# KiCad board rp2040.kicad_pcb
title: Stucco[10]; rev: Rev1.0; company: Scattered-lenity; note: Made by ScatteredDrifter; note: built upon Rp2040 schematic guide
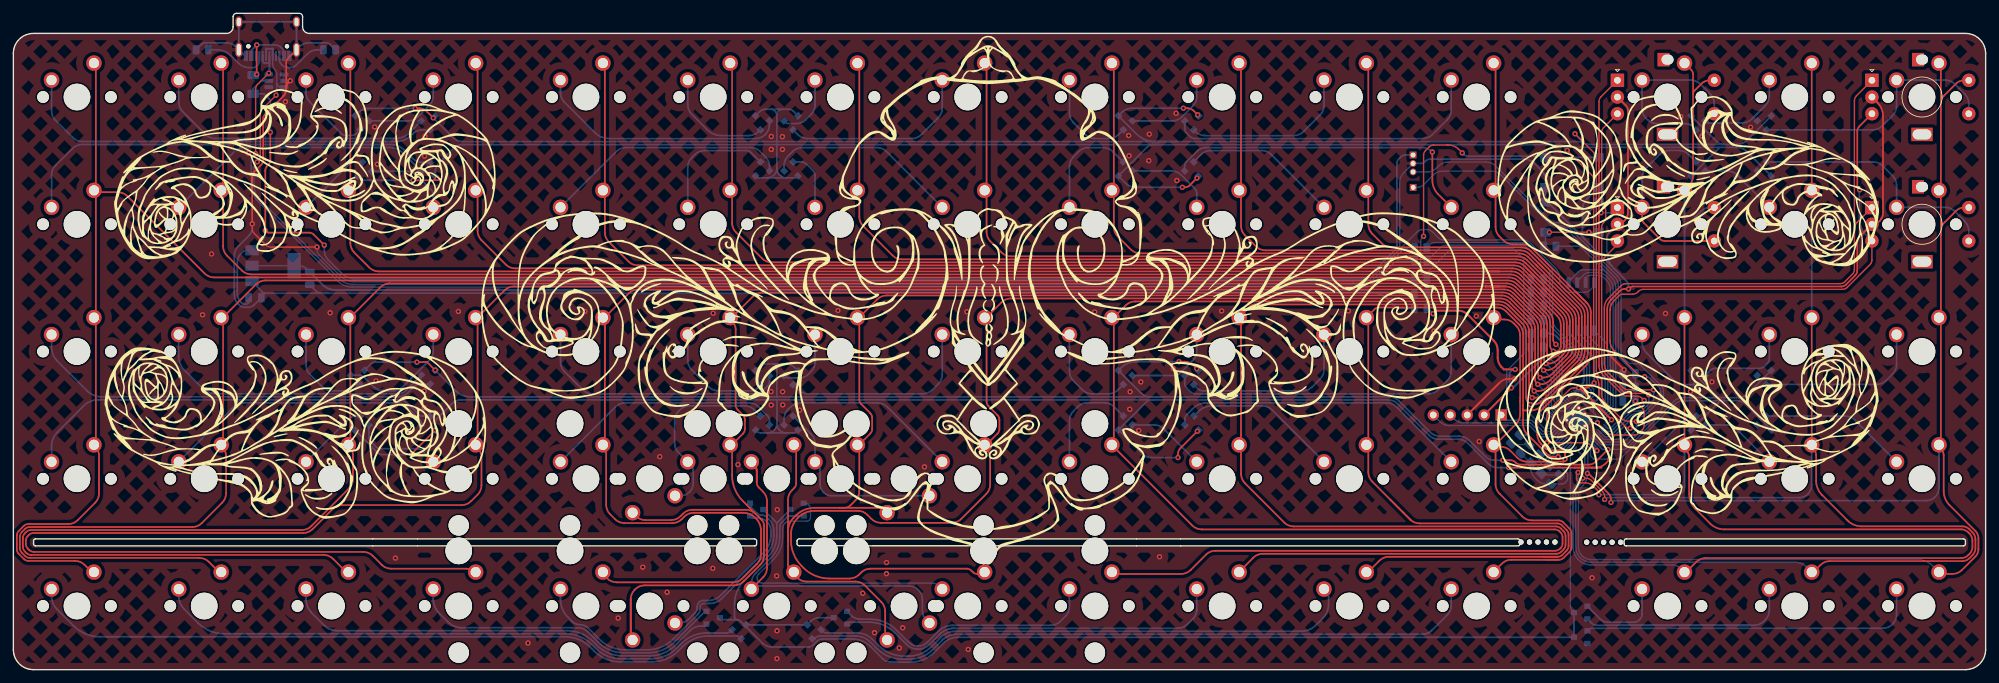
[diagram p0: board, top side]
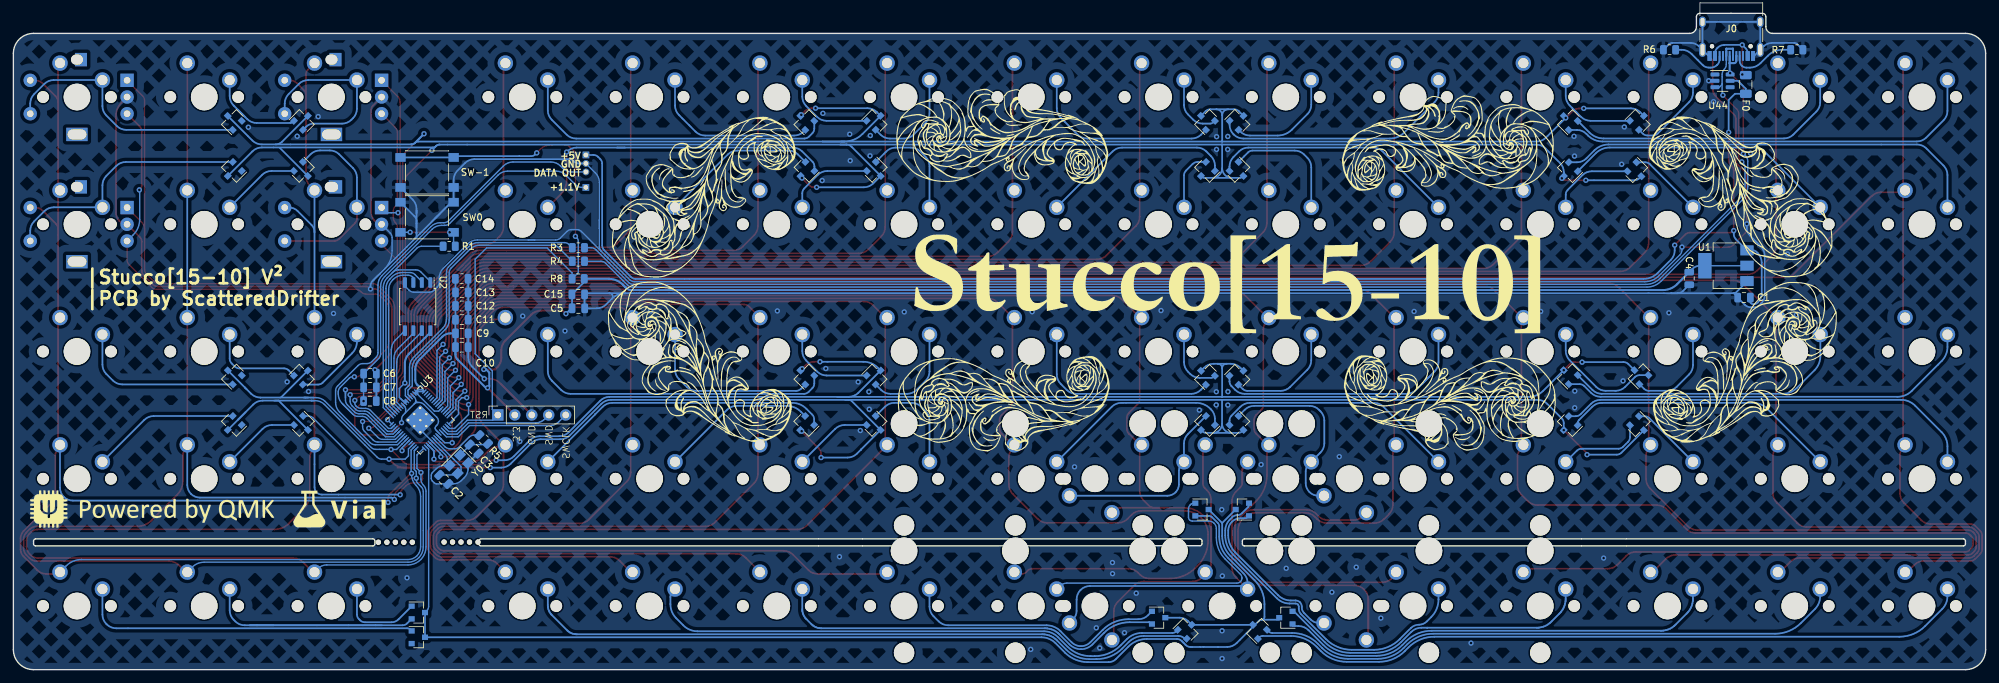
[diagram p1: board, bottom side, seen from below]

Outline 295.27 x 98.25 mm; copper layers: Top, Bottom. Coordinates in mm from the lower left corner of the outline.
Outline path: 0,92.25 arc(0.88,94.37) 3,95.25 31.9,95.25 arc(32.61,95.54) 32.9,96.25 32.9,97.75 arc(33.05,98.1) 33.4,98.25 42.8,98.25 arc(43.15,98.1) 43.3,97.75 43.3,96.25 arc(43.59,95.54) 44.3,95.25 292.27,95.25 arc(294.4,94.37) 295.27,92.25 295.27,3 arc(294.4,0.88) 292.27,0 3,0 arc(0.88,0.88) 0,3 0,92.25 ; 3.02,19.28 3.02,18.83 arc(3.11,18.61) 3.32,18.53 110.97,18.53 arc(111.19,18.61) 111.27,18.83 111.27,19.28 arc(111.19,19.49) 110.97,19.58 3.32,19.58 arc(3.11,19.49) 3.02,19.28 ; 117.33,19.28 117.33,18.85 arc(117.41,18.64) 117.62,18.55 168.12,18.53 174.78,18.53 225.28,18.53 arc(225.49,18.61) 225.58,18.83 225.58,19.28 arc(225.49,19.49) 225.28,19.58 117.62,19.58 arc(117.41,19.49) 117.33,19.28 ; 241.15,19.28 241.15,18.83 arc(241.24,18.61) 241.45,18.53 291.95,18.53 arc(292.16,18.61) 292.25,18.83 292.25,19.28 arc(292.16,19.49) 291.95,19.58 241.45,19.58 arc(241.24,19.49) 241.15,19.28
Stack: Top 0.035mm / dielectric 1.51mm FR4 er 4.5 / Bottom 0.035mm

## Placement (name value [footprint] x y rotation side)
C1  10u  [C_0805_2012Metric]  36.17 55.7 0 bottom
C2  22pf  [C_0805_2012Metric]  230.84 28.48 225 bottom
C3  22pf  [C_0805_2012Metric]  226.31 33.02 225 bottom
C4  10u  [C_0805_2012Metric]  44.38 58.57 270 bottom
C5  100n  [C_0805_2012Metric]  210.69 54.09 180 bottom
C6  100n  [C_0805_2012Metric]  241.89 44.32 180 bottom
C7  100n  [C_0805_2012Metric]  241.89 42.26 180 bottom
C8  1u  [C_0805_2012Metric]  241.9 40.2 180 bottom
C9  100n  [C_0805_2012Metric]  228.14 50.34 180 bottom
C10  1u  [C_0805_2012Metric]  228.14 48.28 180 bottom
C11  100n  [C_0805_2012Metric]  228.14 52.39 180 bottom
C12  100n  [C_0805_2012Metric]  228.14 54.44 180 bottom
C13  100n  [C_0805_2012Metric]  228.14 56.47 180 bottom
C14  100n  [C_0805_2012Metric]  228.16 58.52 180 bottom
C15  10u  [C_0805_2012Metric]  210.71 56.18 180 bottom
D1  BAV70  [SOT-23]  62.44 82.18 45 bottom
D2  BAV70  [SOT-23]  62.44 74.58 315 bottom
D3  BAV70  [SOT-23]  62.45 44.12 45 bottom
D4  BAV70  [SOT-23]  62.45 36.56 315 bottom
D5  BAV70  [SOT-23]  108.99 6.01 45 bottom
D6  BAV70  [SOT-23]  51.87 82.2 135 bottom
D7  BAV70  [SOT-23]  52.24 74.58 225 bottom
D8  BAV70  [SOT-23]  51.86 44.12 45 bottom
D9  BAV70  [SOT-23]  51.86 36.55 225 bottom
D10  BAV70  [SOT-23]  104.77 7.78 0 bottom
D11  BAV70  [SOT-23]  111.81 82.2 135 bottom
D12  BAV70  [SOT-23]  111.83 74.62 225 bottom
D13  BAV70  [SOT-23]  111.83 44.03 135 bottom
D14  BAV70  [SOT-23]  111.83 36.59 225 bottom
D15  BAV70  [SOT-23]  111.28 23.97 0 bottom
D16  BAV70  [SOT-23]  116.77 82.2 45 bottom
D17  BAV70  [SOT-23]  116.77 74.62 315 bottom
D18  BAV70  [SOT-23]  116.77 44.03 45 bottom
D19  BAV70  [SOT-23]  116.77 36.59 315 bottom
D20  BAV70  [SOT-23]  117.33 23.97 180 bottom
D21  BAV70  [SOT-23]  166.15 82.2 135 bottom
D22  BAV70  [SOT-23]  166.12 74.62 225 bottom
D23  BAV70  [SOT-23]  166.15 44.07 135 bottom
D24  BAV70  [SOT-23]  166.15 36.59 225 bottom
D25  BAV70  [SOT-23]  123.81 7.78 180 bottom
D26  BAV70  [SOT-23]  176.75 82.18 45 bottom
D27  BAV70  [SOT-23]  176.73 74.62 315 bottom
D28  BAV70  [SOT-23]  176.75 44.07 45 bottom
D29  BAV70  [SOT-23]  176.77 36.59 315 bottom
D30  BAV70  [SOT-23]  119.56 6.01 135 bottom
D31  BAV70  [SOT-23]  251.89 82.19 135 bottom
D32  BAV70  [SOT-23]  251.9 74.62 225 bottom
D33  BAV70  [SOT-23]  251.9 44.06 135 bottom
D34  BAV70  [SOT-23]  251.88 36.59 225 bottom
D35  BAV70  [SOT-23]  234.65 8.55 180 bottom
D36  BAV70  [SOT-23]  262.46 82.19 45 bottom
D37  BAV70  [SOT-23]  262.45 74.62 315 bottom
D38  BAV70  [SOT-23]  262.45 44.08 45 bottom
D39  BAV70  [SOT-23]  262.46 36.59 315 bottom
D40  BAV70  [SOT-23]  234.65 4.85 180 bottom
F0  polyfuse  [Fuse_1206_3216Metric]  35.91 87.61 270 bottom
G***  LOGO  [test_stuck_mainornament_smaller]  146.45 35.95 0 top
G***#2  LOGO  [test_stuck_resized_flipped]  9.83 88.52 180 top
G***#3  LOGO  [test_stuck_resized]  284.56 87.46 180 top
G***#4  LOGO  [test_stuck_resized_flipped]  284.51 21.68 0 top
G***#5  LOGO  [test_stuck_resized]  8.41 21.18 0 top
G***#6  LOGO  [vial_logo]  245.54 24 180 bottom
G***#7  LOGO  [stucco_logo]  114.3 58.2 180 bottom
G***#8  LOGO  [test_stuck_ornament_small]  128.24 31.88 180 bottom
G***#9  LOGO  [test_stuck_ornament_small]  99.28 86.76 0 bottom
G***#10  LOGO  [test_stuck_ornament_small]  43.4 90.9 45 bottom
G***#11  LOGO  [qmk]  274.41 24.08 180 bottom
G***#12  LOGO  [test_stuck_ornament_small]  185.79 25.95 225 bottom
Ge  LOGO  [test_stuck_ornamentflipped_small]  42.75 25.91 135 bottom
Ge#2  LOGO  [test_stuck_ornamentflipped_small]  185.19 90.84 315 bottom
Ge#3  LOGO  [test_stuck_ornamentflipped_small]  98.98 31.99 180 bottom
Ge#4  LOGO  [test_stuck_ornamentflipped_small]  128.46 87.76 0 bottom
J0  USB_C_Receptacle_USB2.0  [USB_C_Receptacle_HRO_TYPE-C-31-M-12]  38.08 95.92 0 bottom
J1  BREAKOUT  [PinSocket_1x05_P2.54mm_Vertical]  222.75 38.13 90 bottom
J2  Conn_01x03_Male  [PinSocket_1x03_P1.27mm_Vertical]  209.56 77.05 0 top
J4  Conn_01x01_Male  [PinSocket_1x01_P1.27mm_Vertical]  209.56 72.19 0 top
R1  1k  [R_0805_2012Metric]  230.03 63.38 180 bottom
R3  27  [R_0805_2012Metric]  210.69 63.16 0 bottom
R4  27  [R_0805_2012Metric]  210.69 61.14 0 bottom
R5  1k  [R_0805_2012Metric]  224.86 34.46 225 bottom
R6  5.1k  [R_0805_2012Metric]  47.33 92.8 0 bottom
R7  5.1k  [R_0805_2012Metric]  28.28 92.8 180 bottom
R8  10k  [R_0805_2012Metric]  210.72 58.51 180 bottom
REF**  -  [STAB_MX_6u]  114.3 9.53 180 top
REF**#2  -  [STAB_MX_2u]  95.25 28.58 180 top
REF**#3  -  [STAB_MX_2u]  133.35 9.53 180 top
REF**#4  -  [STAB_MX_2u]  114.3 28.58 180 top
REF**#5  -  [STAB_MX_2u]  133.35 28.58 180 top
REF**#6  -  [STAB_MX_6u]  114.3 28.58 180 top
REF**#7  -  [breakaway-mousebites]  238.09 18.82 0 top
REF**#8  -  [breakaway-mousebites]  228.26 18.85 0 top
REF**#9  -  [STAB_MX_2u]  114.3 9.53 180 top
REF**#10  -  [STAB_MX_2u]  95.25 9.53 180 top
SW0  BOOT  [SW_Push_1P1T_NO_6x6mm_H9.5mm]  233.34 67.72 180 bottom
SW1  SW_PUSH  [SW_MX_1u]  9.52 66.68 0 top
SW2  SW_PUSH  [SW_MX_1u]  9.52 47.63 0 top
SW3  SW_PUSH  [SW_MX_1u]  9.52 28.58 0 top
SW4  SW_PUSH  [SW_MX_1u]  9.52 9.53 0 top
SW5  SW_PUSH  [SW_MX_1u]  28.57 66.68 0 top
SW6  SW_PUSH  [SW_MX_1u]  28.57 47.63 0 top
SW7  SW_PUSH  [SW_MX_1u]  28.57 28.58 0 top
SW8  SW_PUSH  [SW_MX_1u]  28.57 9.53 0 top
SW9  SW_PUSH  [SW_MX_1u]  47.62 66.68 0 top
SW10  SW_PUSH  [SW_MX_1u]  47.62 47.63 0 top
SW11  SW_PUSH  [SW_MX_1u]  47.62 28.58 0 top
SW12  SW_PUSH  [SW_MX_1u]  47.62 9.53 0 top
SW14  SW_PUSH  [SW_MX_1u]  66.67 66.68 0 top
SW15  SW_PUSH  [SW_MX_1u]  66.67 47.63 0 top
SW16  SW_PUSH  [SW_MX_1u]  66.67 28.58 0 top
SW17  SW_PUSH  [SW_MX_1u]  66.67 9.53 0 top
SW18  SW_PUSH  [SW_MX_1u]  85.72 66.68 0 top
SW19  SW_PUSH  [SW_MX_1u]  85.72 47.63 0 top
SW20  SW_PUSH  [SW_MX_1u]  85.72 28.58 0 top
SW21  SW_PUSH  [SW_MX_1u]  85.72 9.53 0 top
SW22  SW_PUSH  [SW_MX_1u]  104.77 66.68 0 top
SW23  SW_PUSH  [SW_MX_1u]  104.77 47.63 0 top
SW24  SW_PUSH  [SW_MX_1u]  104.77 28.58 0 top
SW25  SW_PUSH  [SW_MX_1u]  95.25 9.53 180 top
SW25_1  SW_PUSH  [SW_MX_1u]  95.25 28.58 180 top
SW26  SW_PUSH  [SW_MX_1u]  123.83 66.68 0 top
SW27  SW_PUSH  [SW_MX_1u]  123.83 47.63 0 top
SW28  SW_PUSH  [SW_MX_1u]  123.83 28.58 0 top
SW29  SW_PUSH  [SW_MX_1u]  114.3 9.53 0 top
SW29_1  SW_PUSH  [SW_MX_1u]  133.35 9.53 180 top
SW29_2  SW_PUSH  [SW_MX_1u]  114.3 28.58 0 top
SW29_3  SW_PUSH  [SW_MX_1u]  133.35 28.58 180 top
SW30  SW_PUSH  [SW_MX_1u]  142.88 66.68 0 top
SW31  SW_PUSH  [SW_MX_1u]  142.88 47.63 0 top
SW32  SW_PUSH  [SW_MX_1u]  142.88 28.58 0 top
SW33  SW_PUSH  [SW_MX_1u]  142.88 9.53 0 top
SW34  SW_PUSH  [SW_MX_1u]  161.93 66.68 0 top
SW35  SW_PUSH  [SW_MX_1u]  161.93 47.63 0 top
SW36  SW_PUSH  [SW_MX_1u]  161.93 28.58 0 top
SW37  SW_PUSH  [SW_MX_1u]  161.93 9.53 0 top
SW38  SW_PUSH  [SW_MX_1u]  180.98 66.68 0 top
SW39  SW_PUSH  [SW_MX_1u]  180.98 47.63 0 top
SW40  SW_PUSH  [SW_MX_1u]  180.98 28.58 0 top
SW41  SW_PUSH  [SW_MX_1u]  180.98 9.53 0 top
SW42  SW_PUSH  [SW_MX_1u]  200.03 66.68 0 top
SW43  SW_PUSH  [SW_MX_1u]  200.03 47.63 0 top
SW44  SW_PUSH  [SW_MX_1u]  200.03 28.58 0 top
SW45  SW_PUSH  [SW_MX_1u]  200.03 9.53 0 top
SW46  SW_PUSH  [SW_MX_1u]  219.08 66.68 0 top
SW47  SW_PUSH  [SW_MX_1u]  219.08 47.63 0 top
SW48  SW_PUSH  [SW_MX_1u]  219.08 28.58 0 top
SW49  SW_PUSH  [SW_MX_1u]  219.08 9.53 0 top
SW50  SW_PUSH  [SW_MX_1u]  247.65 66.68 0 top
SW51  SW_PUSH  [SW_MX_1u]  247.65 47.63 0 top
SW52  SW_PUSH  [SW_MX_1u]  247.65 28.58 0 top
SW53  SW_PUSH  [SW_MX_1u]  247.65 9.53 0 top
SW54  SW_PUSH  [SW_MX_1u]  266.7 66.68 0 top
SW55  SW_PUSH  [SW_MX_1u]  266.7 47.63 0 top
SW56  SW_PUSH  [SW_MX_1u]  266.7 28.58 0 top
SW57  SW_PUSH  [SW_MX_1u]  266.7 9.53 0 top
SW58  SW_PUSH  [SW_MX_1u]  285.75 66.68 0 top
SW59  SW_PUSH  [SW_MX_1u]  285.75 47.63 0 top
SW60  SW_PUSH  [SW_MX_1u]  285.75 28.58 0 top
SW61  SW_PUSH  [SW_MX_1u]  285.75 9.53 0 top
SW-1  RESET  [SW_Push_1P1T_NO_6x6mm_H9.5mm]  233.34 74.44 0 bottom
SW_1  001  [SW_MX_1u]  9.52 85.73 0 top
SW_2  SW_PUSH  [SW_MX_1u]  28.57 85.73 0 top
SW_3  SW_PUSH  [SW_MX_1u]  47.62 85.73 0 top
SW_4  SW_PUSH  [SW_MX_1u]  66.67 85.73 0 top
SW_5  SW_PUSH  [SW_MX_1u]  85.72 85.73 0 top
SW_6  SW_PUSH  [SW_MX_1u]  104.77 85.73 0 top
SW_7  SW_PUSH  [SW_MX_1u]  123.83 85.73 0 top
SW_8  SW_PUSH  [SW_MX_1u]  142.88 85.73 0 top
SW_9  SW_PUSH  [SW_MX_1u]  161.93 85.73 0 top
SW_10  SW_PUSH  [SW_MX_1u]  180.98 85.73 0 top
SW_11  SW_PUSH  [SW_MX_1u]  200.03 85.73 0 top
SW_12  SW_PUSH  [SW_MX_1u]  219.08 85.73 0 top
SW_13  SW_PUSH  [SW_MX_1u]  247.65 85.73 0 top
SW_14  SW_PUSH  [SW_MX_1u]  266.7 85.73 0 top
SW_15  SW_PUSH  [SW_MX_1u]  285.75 85.73 0 top
SWrot_1  RotaryEncoder_Switch  [RotaryEncoder_EC11]  285.75 85.73 0 top
SWrot_1_1  RotaryEncoder_Switch  [RotaryEncoder_EC11]  285.75 66.68 0 top
SWrot_2  RotaryEncoder_Switch  [RotaryEncoder_EC11#2]  247.65 66.68 0 top
SWrot_2_2  RotaryEncoder_Switch  [RotaryEncoder_EC11]  247.65 85.73 0 top
U1  NCP1117-3.3_SOT223  [SOT-223-3_TabPin2]  38.89 60.47 0 bottom
U2  W25Q128JVS  [SOIC-8_5.23x5.23mm_P1.27mm]  234.76 54.35 270 bottom
U3  RP2040  [RP2040-QFN-56]  234.36 37.36 135 bottom
U44  SRV05-4  [SOT-23-6]  39.39 88.15 180 bottom
Y0  12MHZ Crystal  [Crystal_SMD_3225-4Pin_3.2x2.5mm]  228.58 30.75 315 bottom

## Library data of the parts
C1 C4 C15 = -: LCSC: C91245
C2 C3 = -: LCSC: C1804
C5-C7 C9 C11-C14 = -: LCSC: C49678
C8 C10 = -: LCSC: C28323
D1-D40 = -: LCSC: C68978
F0 = -: LCSC: C69688
J0 = -: LCSC: C165948
R1 R5 = -: LCSC: C115316
R3 R4 = -: LCSC: C104170
R6 R7 = -: LCSC: C27834
R8 = -: LCSC: C115309
SW0 SW-1 = -: LCSC: C318884
U1 = -: LCSC: C26537
U2 = -: LCSC: C97521
U3 = -: LCSC: C2040
U44 = -: LCSC: C85364
Y0 = -: LCSC: C9002

## Footprints (pads in the part's own frame, mm; a bottom-side part is the same pattern mirrored in y, then rotated)
breakaway-mousebites
  round 0.787 hole 0.787 unplated: (-2.54,0.254) (-1.27,0.254) (0,0.254) (1.27,0.254) (2.54,0.254)
C_0805_2012Metric
  rrect 1x1.45 smd: 1(-0.95,0) 2(0.95,0)
Crystal_SMD_3225-4Pin_3.2x2.5mm
  rect 1.4x1.2 smd: 1(-1.1,-0.85) 2(1.1,-0.85) 3(1.1,0.85) 4(-1.1,0.85)
Fuse_1206_3216Metric
  rrect 1.25x1.75 smd: 1(-1.4,0) 2(1.4,0)
PinSocket_1x01_P1.27mm_Vertical
  rect 1x1 hole 0.7: 1(0,0)
PinSocket_1x03_P1.27mm_Vertical
  rect 1x1 hole 0.7: 1(0,0)
  oval 1x1 hole 0.7: 2(0,-1.27) 3(0,-2.54)
PinSocket_1x05_P2.54mm_Vertical
  rect 1.7x1.7 hole 1: 1(0,0)
  oval 1.7x1.7 hole 1: 2(0,-2.54) 3(0,-5.08) 4(0,-7.62) 5(0,-10.16)
R_0805_2012Metric
  rrect 1.025x1.4 smd: 1(-0.912,0) 2(0.912,0)
RotaryEncoder_EC11
  rect 1.8x2 hole 2.8x1.5 unplated: (0,5.6)
  rect 3.2x2 hole 2.8x1.5 unplated: (0,-5.6)
  rect 2x2 hole 1: A(-7.5,2.5)
  round 2 hole 1: B(-7.5,-2.5) C(-7.5,0) S1(7,-2.5) S2(7,2.5)
RotaryEncoder_EC11#2
  rect 2x2 hole 2.8x1.5 unplated: (0,5.6)
  rect 3.2x2 hole 2.8x1.5 unplated: (0,-5.6)
  rect 2x2 hole 1: A(-7.5,2.5)
  round 2 hole 1: B(-7.5,-2.5) C(-7.5,0) S1(7,-2.5) S2(7,2.5)
RP2040-QFN-56
  rrect 1.084x1.084 smd: (-0.637,-0.637) (-0.637,0.637) (0.637,-0.637) (0.637,0.637)
  rrect 0.875x0.2 smd: 1(-3.438,2.6) 2(-3.438,2.2) 3(-3.438,1.8) 4(-3.438,1.4) 5(-3.438,1) 6(-3.438,0.6) 7(-3.438,0.2) 8(-3.438,-0.2) 9(-3.438,-0.6) 10(-3.438,-1) 11(-3.438,-1.4) 12(-3.438,-1.8) 13(-3.438,-2.2) 14(-3.438,-2.6) 29(3.438,-2.6) 30(3.438,-2.2) 31(3.438,-1.8) 32(3.438,-1.4) 33(3.438,-1) 34(3.438,-0.6) 35(3.438,-0.2) 36(3.438,0.2) 37(3.438,0.6) 38(3.438,1) 39(3.438,1.4) 40(3.438,1.8) 41(3.438,2.2) 42(3.438,2.6)
  rrect 0.2x0.875 smd: 15(-2.6,-3.438) 16(-2.2,-3.438) 17(-1.8,-3.438) 18(-1.4,-3.438) 19(-1,-3.438) 20(-0.6,-3.438) 21(-0.2,-3.438) 22(0.2,-3.438) 23(0.6,-3.438) 24(1,-3.438) 25(1.4,-3.438) 26(1.8,-3.438) 27(2.2,-3.438) 28(2.6,-3.438) 43(2.6,3.438) 44(2.2,3.438) 45(1.8,3.438) 46(1.4,3.438) 47(1,3.438) 48(0.6,3.438) 49(0.2,3.438) 50(-0.2,3.438) 51(-0.6,3.438) 52(-1,3.438) 53(-1.4,3.438) 54(-1.8,3.438) 55(-2.2,3.438) 56(-2.6,3.438)
  round 0.6 hole 0.35: 57(-1.275,-1.275) 57(-1.275,0) 57(-1.275,1.275) 57(0,-1.275) 57(0,0) 57(0,1.275) 57(1.275,-1.275) 57(1.275,0) 57(1.275,1.275)
  rrect 3.2x3.2 smd: 57(0,0)
SOIC-8_5.23x5.23mm_P1.27mm
  rrect 1.6x0.6 smd: 1(-3.6,1.905) 2(-3.6,0.635) 3(-3.6,-0.635) 4(-3.6,-1.905) 5(3.6,-1.905) 6(3.6,-0.635) 7(3.6,0.635) 8(3.6,1.905)
SOT-23
  rect 0.9x0.8 smd: 1(-1,0.95) 2(-1,-0.95) 3(1,0)
SOT-23-6
  rrect 1.325x0.6 smd: 1(-1.137,0.95) 2(-1.137,0) 3(-1.137,-0.95) 4(1.137,-0.95) 5(1.137,0) 6(1.137,0.95)
SOT-223-3_TabPin2
  rect 2x1.5 smd: 1(-3.15,2.3) 2(-3.15,0) 3(-3.15,-2.3)
  rect 2x3.8 smd: 2(3.15,0)
STAB_MX_2u
  round 3.048 hole 3.048 unplated: (-11.906,6.985) (11.906,6.985)
  round 3.988 hole 3.988 unplated: (-11.906,-8.255) (11.906,-8.255)
STAB_MX_6u
  round 3.048 hole 3.048 unplated: (-47.625,6.985) (47.625,6.985)
  round 3.988 hole 3.988 unplated: (-47.625,-8.255) (47.625,-8.255)
SW_MX_1u
  round 1.75 hole 1.75 unplated: (-5.08,0) (5.08,0)
  round 3.988 hole 3.988 unplated: (0,0)
  round 2.3 hole 1.524: 1(-3.81,2.54) 2(2.54,5.08)
SW_Push_1P1T_NO_6x6mm_H9.5mm
  rect 1.55x1.3 smd: 1(-3.975,2.25) 1(3.975,2.25) 2(-3.975,-2.25) 2(3.975,-2.25)
USB_C_Receptacle_HRO_TYPE-C-31-M-12
  round 0.65 hole 0.65 unplated: (-2.89,2.6) (2.89,2.6)
  rect 0.6x1.45 smd: A1(-3.25,4.045) A4(-2.45,4.045) A9(2.45,4.045) A12(3.25,4.045) B1(3.25,4.045) B4(2.45,4.045) B9(-2.45,4.045) B12(-3.25,4.045)
  rect 0.3x1.45 smd: A5(-1.25,4.045) A6(-0.25,4.045) A7(0.25,4.045) A8(1.25,4.045) B5(1.75,4.045) B6(0.75,4.045) B7(-0.75,4.045) B8(-1.75,4.045)
  oval 1x1.6 hole 0.6x1.2: S1(-4.32,-1.05) S1(4.32,-1.05)
  oval 1x2.1 hole 0.6x1.7: S1(-4.32,3.13) S1(4.32,3.13)

## Nets
+1V1: C6.1 C7.1 C8.1 J4.1 U3.23 U3.45 U3.50
+3V3: C4.1 C5.1 C9.1 C10.1 C11.1 C12.1 C13.1 C14.1 C15.1 J1.2 R8.2 U1.2 U2.8 U3.1 U3.10 U3.22 U3.33 U3.42 U3.43 U3.44 U3.48 U3.49
+5V: C1.1 F0.2 J2.1 U1.3 U44.5
GND: C1.2 C2.2 C3.2 C4.2 C5.2 C6.2 C7.2 C8.2 C9.2 C10.2 C11.2 C12.2 C13.2 C14.2 C15.2 J0.A1 J0.A12 J0.B1 J0.B12 J0.S1 J1.3 J2.2 R6.2 R7.2 SW0.1 SW-1.1 SWrot_1.C SWrot_1_1.C SWrot_2.C SWrot_2_2.C U1.1 U2.4 U3.19 U3.57 U44.2 Y0.2 Y0.4
VBUS: F0.1 J0.A4 J0.A9 J0.B4 J0.B9
/RP2040_schem/GPIO26_ADC0: U3.38
/RP2040_schem/GPIO27_ADC1: U3.39
/RP2040_schem/GPIO28_ADC2: U3.40
/RP2040_schem/GPIO29_ADC3: U3.41
/RP2040_schem/QSPI_SCLK: U2.6 U3.52
/RP2040_schem/QSPI_SD0: U2.5 U3.53
/RP2040_schem/QSPI_SD1: U2.2 U3.55
/RP2040_schem/QSPI_SD2: U2.3 U3.54
/RP2040_schem/QSPI_SD3: U2.7 U3.51
/RP2040_schem/QSPI_SS: R1.1 U2.1 U3.56
/RP2040_schem/RUN: J1.1 R8.1 SW-1.2 U3.26
/RP2040_schem/SWCLK: J1.5 U3.24
/RP2040_schem/SWD: J1.4 U3.25
/RP2040_schem/USB_D+: J0.A6 J0.B6 R3.1 U44.3
/RP2040_schem/USB_D-: J0.A7 J0.B7 R4.1 U44.6
/RP2040_schem/XIN: C2.1 U3.20 Y0.3
/RP2040_schem/XOUT: R5.1 U3.21
/RP2040_schem/~{USB_BOOT}: R1.2 SW0.2
COL0: SW1.2 SW2.2 SW3.2 SW4.2 SW_1.2 U3.37
COL1: SW5.2 SW6.2 SW7.2 SW8.2 SW_2.2 U3.36
COL2: SW9.2 SW10.2 SW11.2 SW12.2 SW_3.2 U3.35
COL3: SW14.2 SW15.2 SW16.2 SW17.2 SW_4.2 U3.34
COL4: SW18.2 SW19.2 SW20.2 SW21.2 SW_5.2 U3.32
COL5: SW22.2 SW23.2 SW24.2 SW25.2 SW25_1.2 SW_6.2 U3.31
COL6: SW26.2 SW27.2 SW28.2 SW29.2 SW29_1.2 SW29_2.2 SW29_3.2 SW_7.2 U3.30
COL7: SW30.2 SW31.2 SW32.2 SW33.2 SW_8.2 U3.29
COL8: SW34.2 SW35.2 SW36.2 SW37.2 SW_9.2 U3.28
COL9: SW38.2 SW39.2 SW40.2 SW41.2 SW_10.2 U3.27
COL10: SW42.2 SW43.2 SW44.2 SW45.2 SW_11.2 U3.18
COL11: SW46.2 SW47.2 SW48.2 SW49.2 SW_12.2 U3.17
COL12: SW50.2 SW51.2 SW52.2 SW53.2 SW_13.2 SWrot_2.S2 SWrot_2_2.S2 U3.15
COL13: SW54.2 SW55.2 SW56.2 SW57.2 SW_14.2 U3.14
COL14: SW58.2 SW59.2 SW60.2 SW61.2 SW_15.2 SWrot_1.S2 SWrot_1_1.S2 U3.13
LED_GLOW: J2.3 U3.8
rot_1_1row: D37.2 SW58.1 SWrot_1_1.S1
rot_1_l: SWrot_1.A SWrot_1_1.A U3.4
rot_1_r: SWrot_1.B SWrot_1_1.B U3.5
rot_1_row: D36.1 SW_15.1 SWrot_1.S1
rot_2_2row: D31.2 SW_13.1 SWrot_2_2.S1
rot_2_l: SWrot_2.A SWrot_2_2.A U3.2
rot_2_r: SWrot_2.B SWrot_2_2.B U3.3
rot_2_row: D32.1 SW50.1 SWrot_2.S1
ROW0: D1.3 D6.3 D11.3 D16.3 D21.3 D26.3 D31.3 D36.3 U3.7
ROW1: D2.3 D7.3 D12.3 D17.3 D22.3 D27.3 D32.3 D37.3 U3.6
ROW2: D3.3 D8.3 D13.3 D18.3 D23.3 D28.3 D33.3 D38.3 U3.9
ROW3: D4.3 D9.3 D14.3 D19.3 D24.3 D29.3 D34.3 D39.3 U3.12
ROW4: D5.3 D10.3 D15.3 D20.3 D25.3 D30.3 D35.3 D40.3 U3.16
Net-(C3-Pad1): C3.1 R5.2 Y0.1
Net-(D1-Pad1): D1.1 SW_1.1
Net-(D1-Pad2): D1.2 SW_2.1
Net-(D2-Pad1): D2.1 SW5.1
Net-(D2-Pad2): D2.2 SW1.1
Net-(D3-Pad1): D3.1 SW2.1
Net-(D3-Pad2): D3.2 SW6.1
Net-(D4-Pad1): D4.1 SW7.1
Net-(D4-Pad2): D4.2 SW3.1
Net-(D5-Pad1): D5.1 SW4.1
Net-(D5-Pad2): D5.2 SW8.1
Net-(D6-Pad1): D6.1 SW_4.1
Net-(D6-Pad2): D6.2 SW_3.1
Net-(D7-Pad1): D7.1 SW9.1
Net-(D7-Pad2): D7.2 SW14.1
Net-(D8-Pad1): D8.1 SW10.1
Net-(D8-Pad2): D8.2 SW15.1
Net-(D9-Pad1): D9.1 SW11.1
Net-(D9-Pad2): D9.2 SW16.1
Net-(D10-Pad1): D10.1 SW12.1
Net-(D10-Pad2): D10.2 SW17.1
Net-(D11-Pad1): D11.1 SW_5.1
Net-(D11-Pad2): D11.2 SW_6.1
Net-(D12-Pad1): D12.1 SW22.1
Net-(D12-Pad2): D12.2 SW18.1
Net-(D13-Pad1): D13.1 SW19.1
Net-(D13-Pad2): D13.2 SW23.1
Net-(D14-Pad1): D14.1 SW24.1 SW25_1.1
Net-(D14-Pad2): D14.2 SW20.1
Net-(D15-Pad1): D15.1 SW25.1
Net-(D15-Pad2): D15.2 SW21.1
Net-(D16-Pad1): D16.1 SW_8.1
Net-(D16-Pad2): D16.2 SW_7.1
Net-(D17-Pad1): D17.1 SW30.1
Net-(D17-Pad2): D17.2 SW26.1
Net-(D18-Pad1): D18.1 SW31.1
Net-(D18-Pad2): D18.2 SW27.1
Net-(D19-Pad1): D19.1 SW32.1
Net-(D19-Pad2): D19.2 SW28.1 SW29_3.1
Net-(D20-Pad1): D20.1 SW33.1
Net-(D20-Pad2): D20.2 SW29.1 SW29_1.1 SW29_2.1
Net-(D21-Pad1): D21.1 SW_10.1
Net-(D21-Pad2): D21.2 SW_9.1
Net-(D22-Pad1): D22.1 SW34.1
Net-(D22-Pad2): D22.2 SW38.1
Net-(D23-Pad1): D23.1 SW39.1
Net-(D23-Pad2): D23.2 SW35.1
Net-(D24-Pad1): D24.1 SW36.1
Net-(D24-Pad2): D24.2 SW40.1
Net-(D25-Pad1): D25.1 SW37.1
Net-(D25-Pad2): D25.2 SW41.1
Net-(D26-Pad1): D26.1 SW_11.1
Net-(D26-Pad2): D26.2 SW_12.1
Net-(D27-Pad1): D27.1 SW46.1
Net-(D27-Pad2): D27.2 SW42.1
Net-(D28-Pad1): D28.1 SW43.1
Net-(D28-Pad2): D28.2 SW47.1
Net-(D29-Pad1): D29.1 SW48.1
Net-(D29-Pad2): D29.2 SW44.1
Net-(D30-Pad1): D30.1 SW45.1
Net-(D30-Pad2): D30.2 SW49.1
Net-(D31-Pad1): D31.1 SW_14.1
Net-(D32-Pad2): D32.2 SW54.1
Net-(D33-Pad1): D33.1 SW55.1
Net-(D33-Pad2): D33.2 SW51.1
Net-(D34-Pad1): D34.1 SW52.1
Net-(D34-Pad2): D34.2 SW56.1
Net-(D35-Pad1): D35.1 SW53.1
Net-(D35-Pad2): D35.2 SW57.1
Net-(D38-Pad1): D38.1 SW59.1
Net-(D39-Pad2): D39.2 SW60.1
Net-(D40-Pad1): D40.1 SW61.1
Net-(J0-PadA5): J0.A5 R7.1
Net-(J0-PadB5): J0.B5 R6.1
Net-(R3-Pad2): R3.2 U3.47
Net-(R4-Pad2): R4.2 U3.46

Pads without a net: D36 2; D37 1; D38 2; D39 1; D40 2; J0 A8 B8; U3 11; U44 1 4

## Via types
v1: diameter 0.8, hole 0.4, Top to Bottom, 149 vias

## Routing (per net, layer and track width the routed paths; a pad name or vN(x,y) marks a point on that pad's centre or on a via; arc(x,y) is an arc through that point)
+1V1: length 83.7
  Top w0.2: v1(237.16,36.97) 238.7,35.42 arc(239.02,35.21) 239.4,35.13 242.7,35.13 arc(243.08,35.21) 243.41,35.42 243.85,35.87 arc(244.07,36.19) 244.15,36.57 244.15,38.49 arc(244.07,38.87) 243.85,39.19 v1(242.84,40.2)
  Bottom w0.2: v1(242.84,40.2) 242.84,44.3 arc(242.84,44.31) 242.84,44.32 240.59,46.57 arc(240.37,46.89) 240.29,47.28 240.29,57.4 arc(240.14,58.16) 239.71,58.81 232.6,65.92 arc(231.95,66.36) 231.18,66.51 230.65,66.51 arc(230.27,66.59) 229.95,66.8 222.71,74.04 arc(222.06,74.47) 221.29,74.63 213.98,74.63 arc(213.21,74.47) 212.56,74.04 211.12,72.6 arc(210.67,72.3) 210.14,72.19 J4.1 ; 236.55,38.48 236.55,39.01 arc(236.6,39.25) 236.74,39.46 U3.50 ; U3.45 235.24,40.79 arc(235.09,40.56) 235.03,40.29 ; 234.74,40 234.57,40 arc(234.14,39.91) 233.77,39.67 231.88,37.78 arc(231.69,37.5) 231.63,37.18 arc(231.69,36.85) 231.88,36.58 232.02,36.44 arc(232.1,36.31) 232.14,36.16 arc(232.1,36) 232.02,35.87 231.81,35.66 arc(231.8,35.66) 231.8,35.66 U3.23 ; 234.74,40 arc(234.95,40.09) 235.03,40.29 ; 234.74,40 arc(235.01,39.95) 235.24,39.79 ; 235.24,39.79 236.85,38.18 arc(237.08,37.85) 237.16,37.45 v1(237.16,36.97) ; 235.24,39.79 arc(235.09,40.02) 235.03,40.29
+3V3: length 301.8
  Top w0.2: v1(237.09,32.79) 236.49,33.38 arc(235.84,33.82) 235.08,33.97 v1(229.58,33.97) 229.58,37.7 arc(229.73,38.46) 230.16,39.11 232.94,41.89 arc(233.26,42.1) 233.64,42.18 v1(234.34,42.18)
  Top w0.3: v1(212.55,53.29) 212.77,53.52 arc(213.03,53.69) 213.33,53.75 216.31,53.75 arc(217.07,53.6) 217.72,53.16 221.64,49.25 arc(222.07,48.6) 222.23,47.83 222.23,46.7 arc(222.35,45.99) 222.72,45.38 223.15,44.95 v1(224.85,44.95) ; v1(224.28,42.19) 224.27,42.19 223.3,41.22 arc(223.3,41.22) 223.3,41.22 J1.2 ; v1(239.27,37.42) 234.56,42.12 arc(234.49,42.17) 234.42,42.18 v1(234.34,42.18) 235.22,42.18 arc(235.72,42.27) 236.16,42.53 236.55,42.92 v1(236.67,42.92)
  Bottom w0.2: 231.48,34.77 231.2,34.49 ; 231.48,34.77 U3.22 231.78,35.07 ; 231.48,34.77 231.2,34.49 ; 231.2,34.49 230.68,33.97 v1(229.58,33.97) ; v1(236.67,42.92) 237.5,42.09 237.5,40.78 237.06,40.35 arc(236.91,40.25) 236.73,40.21 236.45,40.21 arc(236.42,40.19) 236.43,40.15 236.48,40.09 ; 236.5,40.08 236.48,40.09 ; 236.5,40.08 U3.49 237.27,40.55 ; 236.5,40.08 arc(236.5,40.08) 236.5,40.09 arc(236.49,40.09) 236.48,40.09 ; 237.08,33.22 237.08,32.81 arc(237.08,32.8) 237.08,32.8 v1(237.09,32.79) 237.09,33.22 236.85,33.45 ; 236.85,33.45 236.93,33.37 ; 236.85,33.45 U3.10 ; 234.75,41.63 U3.42 ; 234.75,41.63 arc(234.93,41.59) 235.09,41.49 235.11,41.47 arc(235.12,41.39) 235.06,41.35 arc(234.89,41.31) 234.76,41.22 232.24,38.71 231.6,38.71 U3.33 arc(231.22,39.08) 231.22,39.08 231.41,38.89 ; 234.75,41.63 arc(234.82,41.68) 234.81,41.77 ; U1.2 U1.2 ; v1(239.27,37.42) 238.63,36.78 arc(238.62,36.77) 238.62,36.77 U3.1
  Bottom w0.25: C9.1 C10.1 ; C10.1 229.09,58.49 arc(229.09,58.5) 229.09,58.51 ; C10.1 229.09,47.2 ; C4.1 43.9,60 arc(43.37,60.35) 42.75,60.47 U1.2 ; 209.77,58.48 209.74,58.44 ; 209.77,58.48 arc(209.79,58.48) 209.8,58.46 209.8,58.27 arc(209.85,58.05) 209.97,57.86 211.65,56.19 arc(211.65,56.18) 211.65,56.17 arc(211.64,56.16) 211.64,56.15 211.64,54.15 arc(211.65,54.11) 211.69,54.09 arc(211.74,54.08) 211.78,54.05 v1(212.55,53.29) ; 209.77,58.48 arc(209.77,58.5) 209.75,58.51
  Bottom w0.3: 203.65,57.25 203.51,57.12 arc(203.18,56.9) 202.8,56.83 196.62,56.83 ; 203.65,57.25 203.65,57.26 ; 203.65,57.25 arc(203.65,57.26) 203.65,57.26 ; v1(234.34,42.18) 234.34,42.32 ; v1(234.34,42.18) 234.81,42.65 arc(235.03,42.98) 235.11,43.36 235.11,44.97 arc(234.95,45.73) 234.52,46.38 231.05,49.85 arc(230.51,50.21) 229.87,50.34 C9.1 ; v1(234.34,42.18) 234.33,42.18 arc(234.32,42.18) 234.31,42.17 233.8,41.66 ; v1(234.34,42.18) 234.37,42.18 arc(234.39,42.18) 234.41,42.16 235.09,41.49 ; 195.92,56.83 48.31,56.83 arc(47.16,57.05) 46.19,57.7 C4.1 ; 195.92,56.83 196.62,56.83 ; 195.92,56.83 196.62,56.83 ; v1(236.67,42.92) 236.66,42.92 236.66,45.96 arc(236.49,46.65) 236.08,47.24 232.95,50.37 arc(232.88,50.48) 232.85,50.61 U2.8 ; 203.65,57.26 203.92,57.53 ; 203.65,57.26 arc(203.65,57.26) 203.65,57.26 ; v1(224.85,44.95) 224.5,44.95 224.02,44.47 224.02,42.45 v1(224.28,42.19) 224.53,42.19 228.79,46.45 arc(229.01,46.77) 229.09,47.15 C10.1 ; 229.11,58.9 229.11,58.53 arc(229.1,58.52) 229.09,58.51 ; 209.8,58.56 209.8,58.74 ; 209.8,58.56 209.8,58.46 ; 209.8,58.56 arc(209.79,58.52) 209.75,58.51 206.15,58.51 arc(205,58.28) 204.03,57.63 203.66,57.26 arc(203.65,57.26) 203.65,57.26